# Altium PCB ARDUINO1.PcbDoc (part 1 of 2)
Units mil, origin at the board's own origin, x right, y up, seen from the top; angles counter-clockwise.
Board outline 6000 x 4000 mil, 2 copper layers (Top Layer, Bottom Layer); 24 components, 102 nets, 195 pads, 23 vias.
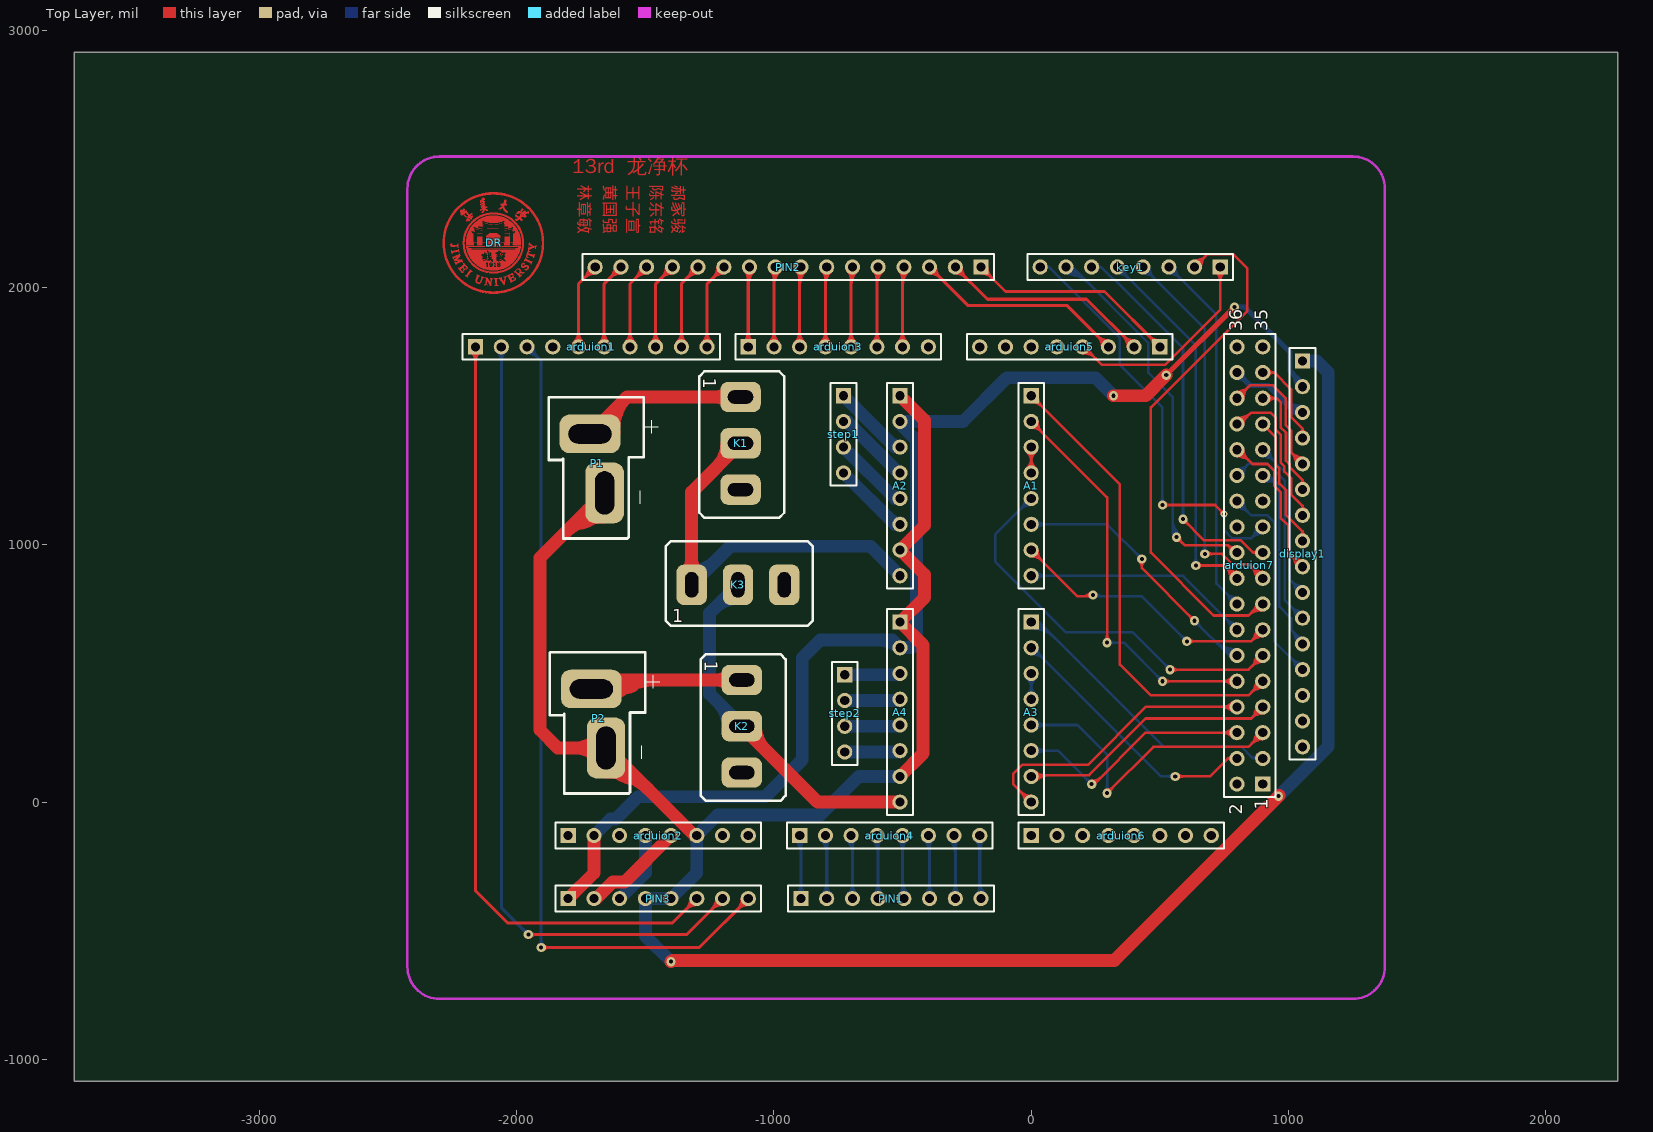
[diagram p0: Top Layer view]
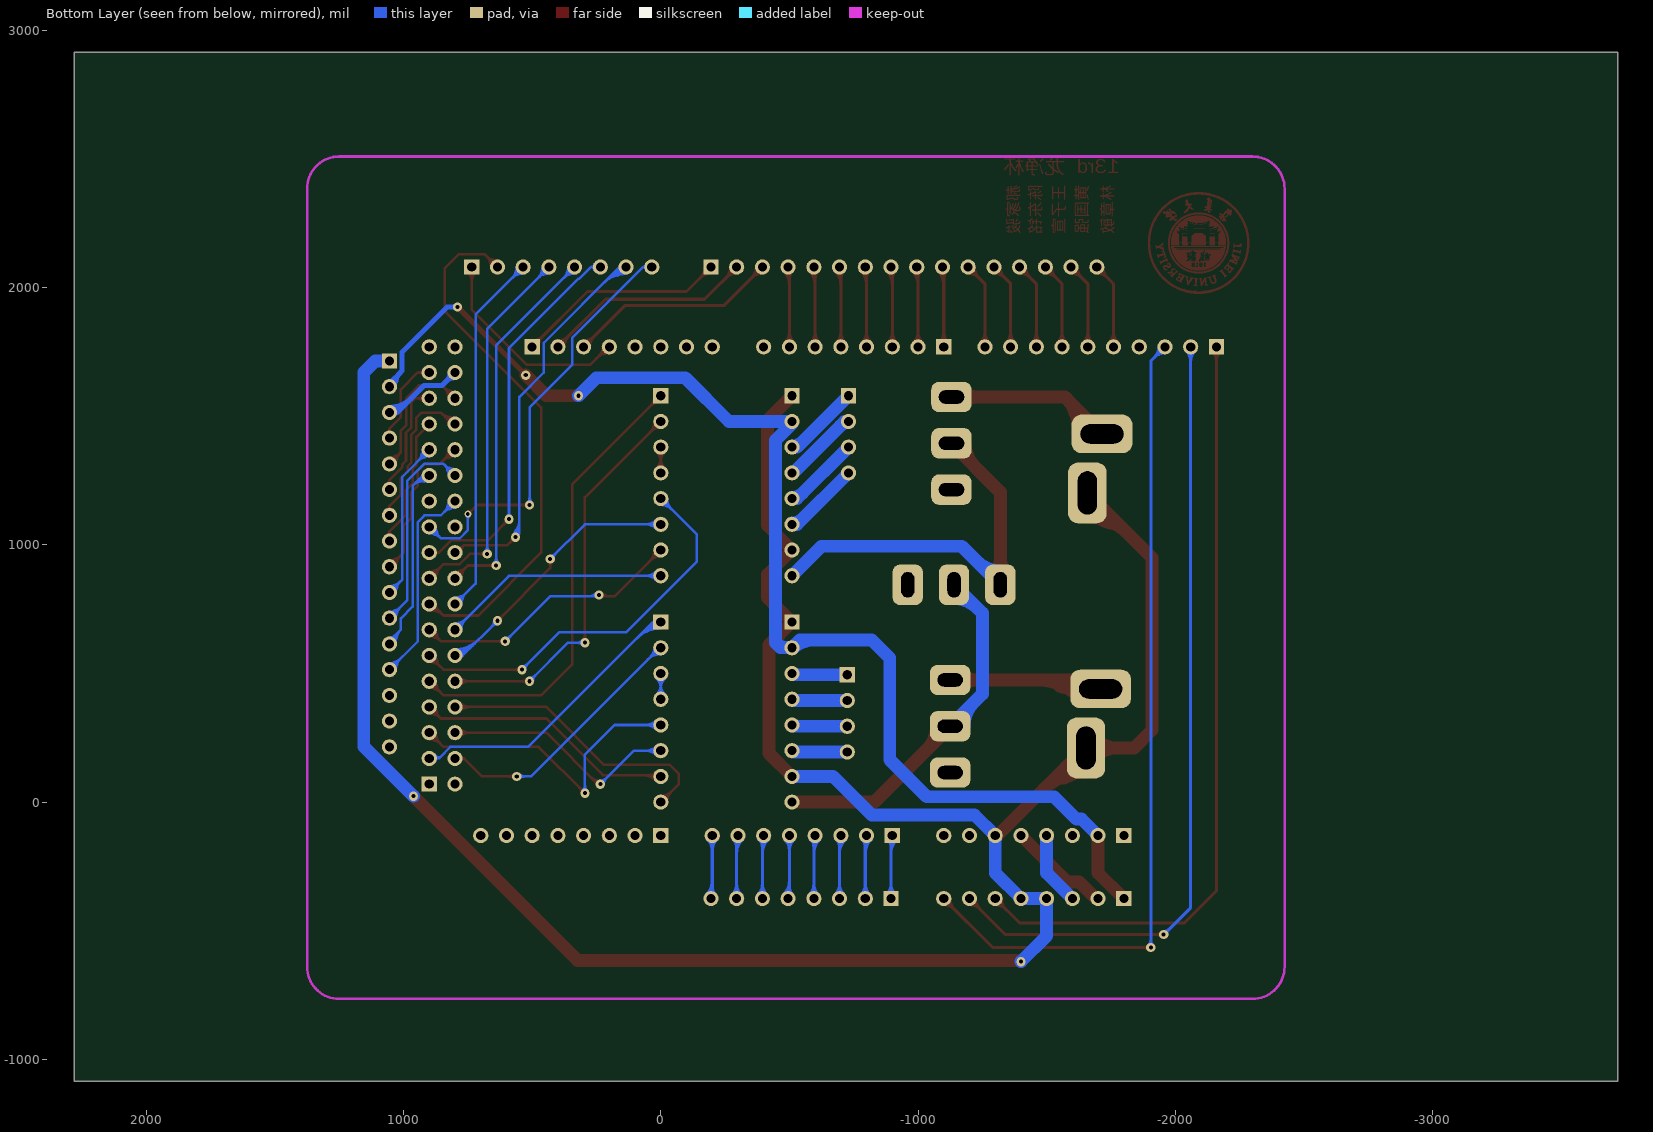
[diagram p1: Bottom Layer view, seen from below]

## Layer stack, top to bottom
Top Solder: solder mask 0.4, Solder Resist, Dk 3.5
Top Layer: signal copper 1.4
Dielectric1: dielectric 12.6, FR-4, Dk 4.8
Bottom Layer: signal copper 1.4
Bottom Solder: solder mask 0.4, Solder Resist, Dk 3.5

## Board outline
-3720,-1085 2280,-1085 2280,2915 -3720,2915

## Design rules (kind name [scope] priority, off if disabled: settings)
Clearance [All] p1: gap=10 ignorepadtopadclearanceinfootprint=FALSE except(0: Arc-Hole Track-Hole SMDPad-Hole THPad-Hole Via-Hole Fill-Hole Poly-Hole Region-Hole Text-Hole)
PolygonConnect [All] p1: connectstyle=Relief reliefconductorwidth=10 reliefentries=4 polygonreliefangle="90 Angle" airgapwidth=10
RoutingVias [All] p1: holewidth=28 width=50 viastyle="Through Hole" minholewidth=28 minwidth=50 maxholewidth=28 maxwidth=50
SilkToSolderMaskClearance SilkscreenOverComponentPads [IsPad] p1: minsilkscreentomaskgap=10 clearancetoexposedcopper=TRUE
SolderMaskExpansion [All] p1: expansion=4 istentingtop=FALSE
Width [All] p1: maxlimit=100 minlimit=10 preferedwidth=10
29 further rules are at their usual default settings.

## Classes and differential pairs
component class ARDUINO: A1 A2 A3 arduion1 arduion2 arduion3 arduion4 arduion5 arduion6 arduion7 DR K1 K2 K3 key1 P1 P2 PIN1 PIN2 PIN3 step1 step2

## Components (designator, comment, footprint, x,y, rotation, side; value= is the part's Value field where it differs from the comment)
A1 "Header 8" HDR1X8 0,1580 r270 top
A2 "Header 8" HDR1X8 -510,1580 r270 top
A3 "Header 8" HDR1X8 0,700 r270 top
A4 "Header 8" HDR1X8 -510,700 r270 top
arduion1 "Header 10" HDR1X10 -2160,1770 r0 top
arduion2 "Header 8" HDR1X8 -1800,-130 r0 top
arduion3 "Header 8" HDR1X8 -1100,1770 r0 top
arduion4 "Header 8" HDR1X8 -900,-130 r0 top
arduion5 "Header 8" HDR1X8 500,1770 r180 top
arduion6 "Header 8" HDR1X8 0,-130 r0 top
arduion7 "Header 18X2" HDR2X18 900,70 r90 top
display1 "Header 16" HDR1X16 1055,1715 r270 top
DR "JMU" JMU_logo（1） -2090,2175 r0 top (schematic designator JMU1)
K1 "KEY" 钮子开关（大） -1130,1395 r270 top
K2 "KEY" 钮子开关（大） -1125,295 r270 top
K3 "KEY" 钮子开关（大） -1140,845 r0 top
key1 "Header 8" HDR1X8 735,2080 r180 top
P1 "T头" T型接头 -1665,1335 r270 top
P2 "T头" T型接头 -1659.8,343.5 r270 top
PIN1 "Header 8" HDR1X8 -895,-375 r0 top
PIN2 "Header 8" HDR1X16 -195,2080 r180 top
PIN3 "Header 8" HDR1X8 -1800,-375 r0 top
step1 "Header 4" HDR1X4 -730,1580 r270 top
step2 "Header 4" HDR1X4 -725,495 r270 top

## Footprints (in the part's own frame and the unit in brackets; to place one, negate y for a bottom-side part, rotate by r counter-clockwise, add the part's x,y. Pads: shape width x height; smd on the part's side, far side on the other; paste and mask are expansions set on the pad)
HDR1X4 [mm] "Connector; Header; 4 Position"
  rect 1.5x1.5 hole 0.9: 1(0,0)
  round 1.5 hole 0.9: 2(2.54,0) 3(5.08,0) 4(7.62,0)
  silkscreen extent -1.27,-1.27 8.89,1.27
HDR1X8 [mm] "Connector; Header; 8 Position"
  rect 1.5x1.5 hole 0.9: 1(0,0)
  round 1.5 hole 0.9: 2(2.54,0) 3(5.08,0) 4(7.62,0) 5(10.16,0) 6(12.7,0) 7(15.24,0) 8(17.78,0)
  silkscreen extent -1.27,-1.27 19.05,1.27
HDR1X10 [mm] "Connector; Header; 10 Position"
  rect 1.5x1.5 hole 0.9: 1(0,0)
  round 1.5 hole 0.9: 2(2.54,0) 3(5.08,0) 4(7.62,0) 5(10.16,0) 6(12.7,0) 7(15.24,0) 8(17.78,0) 9(20.32,0) 10(22.86,0)
  silkscreen extent -1.27,-1.27 24.13,1.27
HDR1X16 [mm] "Connector; Header; 16 Position"
  rect 1.5x1.5 hole 0.9: 1(0,0)
  round 1.5 hole 0.9: 2(2.54,0) 3(5.08,0) 4(7.62,0) 5(10.16,0) 6(12.7,0) 7(15.24,0) 8(17.78,0) 9(20.32,0) 10(22.86,0) 11(25.4,0) 12(27.94,0) 13(30.48,0) 14(33.02,0) 15(35.56,0) 16(38.1,0)
  silkscreen extent -1.27,-1.27 39.37,1.27
HDR2X18 [mm] "Connector; Header; 18x2 Position"
  rect 1.5x1.5 hole 0.9: 1(0,0)
  round 1.5 hole 0.9: 2(0,2.54) 3(2.54,0) 4(2.54,2.54) 5(5.08,0) 6(5.08,2.54) 7(7.62,0) 8(7.62,2.54) 9(10.16,0) 10(10.16,2.54) 11(12.7,0) 12(12.7,2.54) 13(15.24,0) 14(15.24,2.54) 15(17.78,0) 16(17.78,2.54) 17(20.32,0) 18(20.32,2.54) 19(22.86,0) 20(22.86,2.54) 21(25.4,0) 22(25.4,2.54) 23(27.94,0) 24(27.94,2.54) 25(30.48,0) 26(30.48,2.54) 27(33.02,0) 28(33.02,2.54) 29(35.56,0) 30(35.56,2.54) 31(38.1,0) 32(38.1,2.54) 33(40.64,0) 34(40.64,2.54) 35(43.18,0) 36(43.18,2.54)
  silkscreen extent -1.27,-1.27 44.45,3.81
JMU_logo（1） [mil]
  Top Layer region: 16.8,-52.9 15.8,-52.9 15.8,-51.9 16.8,-51.9
  Top Layer region: 35.8,-46.9 34.8,-46.9 34.8,-47.9 32.8,-47.9 32.8,-44.9 35.8,-44.9
  Top Layer region: -34.2,-65.9 -35.2,-65.9 -35.2,-66.9 -38.2,-66.9 -38.2,-64.9 -36.2,-64.9 -36.2,-63.9 -34.2,-63.9
  Top Layer region: -24.2,-52.9 -23.2,-52.9 -23.2,-53.9 -22.2,-53.9 -22.2,-54.9 -23.2,-54.9 -23.2,-55.9 -24.2,-55.9 -24.2,-56.9 -25.2,-56.9 -25.2,-51.9 -24.2,-51.9
  Top Layer region: -21.2,-62.9 -22.2,-62.9 -22.2,-63.9 -23.2,-63.9 -23.2,-64.9 -25.2,-64.9 -25.2,-63.9 -26.2,-63.9 -26.2,-61.9 -23.2,-61.9 -23.2,-60.9 -21.2,-60.9
  Top Layer region: -95.2,90.1 -93.2,90.1 -93.2,85.1 -94.2,85.1 -94.2,84.1 -96.2,84.1 -96.2,85.1 -97.2,85.1 -97.2,86.1 -98.2,86.1 -98.2,91.1 -95.2,91.1
  Top Layer region: -81.2,102.1 -80.2,102.1 -80.2,101.1 -81.2,101.1 -81.2,99.1 -82.2,99.1 -82.2,98.1 -84.2,98.1 -84.2,97.1 -85.2,97.1 -85.2,96.1 -87.2,96.1 -87.2,97.1 -86.2,97.1 -86.2,99.1 -87.2,99.1 -87.2,98.1 -89.2,98.1 -89.2,100.1 -88.2,100.1 -88.2,101.1 -87.2,101.1 -87.2,102.1 -86.2,102.1 -86.2,103.1 -84.2,103.1 -84.2,104.1 -81.2,104.1
  Top Layer region: -32.2,130.1 -29.2,130.1 -29.2,129.1 -26.2,129.1 -26.2,128.1 -24.2,128.1 -24.2,127.1 -23.2,127.1 -23.2,124.1 -24.2,124.1 -24.2,123.1 -28.2,123.1 -28.2,124.1 -29.2,124.1 -29.2,126.1 -31.2,126.1 -31.2,127.1 -33.2,127.1 -33.2,128.1 -34.2,128.1 -34.2,130.1 -33.2,130.1 -33.2,131.1 -32.2,131.1
  Top Layer region: 113.8,129.1 114.8,129.1 114.8,127.1 113.8,127.1 113.8,126.1 112.8,126.1 112.8,125.1 111.8,125.1 111.8,123.1 110.8,123.1 110.8,122.1 109.8,122.1 109.8,121.1 107.8,121.1 107.8,120.1 105.8,120.1 105.8,121.1 104.8,121.1 104.8,124.1 105.8,124.1 105.8,126.1 106.8,126.1 106.8,127.1 107.8,127.1 107.8,128.1 108.8,128.1 108.8,129.1 109.8,129.1 109.8,131.1 113.8,131.1
  Top Layer region: 15.8,-140.9 12.8,-140.9 12.8,-141.9 11.8,-141.9 11.8,-149.9 12.8,-149.9 12.8,-163.9 13.8,-163.9 13.8,-165.9 17.8,-165.9 17.8,-166.9 16.8,-166.9 16.8,-167.9 3.8,-167.9 3.8,-166.9 4.8,-166.9 4.8,-165.9 7.8,-165.9 7.8,-155.9 6.8,-155.9 6.8,-141.9 4.8,-141.9 4.8,-140.9 2.8,-140.9 2.8,-138.9 15.8,-138.9
  Top Layer region: -92.2,-104.9 -91.2,-104.9 -91.2,-105.9 -90.2,-105.9 -90.2,-106.9 -89.2,-106.9 -89.2,-107.9 -88.2,-107.9 -88.2,-108.9 -86.2,-108.9 -86.2,-109.9 -85.2,-109.9 -85.2,-110.9 -84.2,-110.9 -84.2,-111.9 -83.2,-111.9 -83.2,-113.9 -85.2,-113.9 -85.2,-112.9 -88.2,-112.9 -88.2,-113.9 -89.2,-113.9 -89.2,-114.9 -90.2,-114.9 -90.2,-115.9 -91.2,-115.9 -91.2,-116.9 -92.2,-116.9 -92.2,-118.9 -93.2,-118.9 -93.2,-119.9 -94.2,-119.9 -94.2,-120.9 -95.2,-120.9 -95.2,-121.9 -96.2,-121.9 -96.2,-122.9 -97.2,-122.9 -97.2,-124.9 -98.2,-124.9 -98.2,-125.9 -99.2,-125.9 -99.2,-126.9 -100.2,-126.9 -100.2,-127.9 -101.2,-127.9 -101.2,-129.9 -102.2,-129.9 -102.2,-131.9 -101.2,-131.9 -101.2,-132.9 -100.2,-132.9 -100.2,-133.9 -101.2,-133.9 -101.2,-134.9 -102.2,-134.9 -102.2,-133.9 -103.2,-133.9 -103.2,-132.9 -104.2,-132.9 -104.2,-131.9 -105.2,-131.9 -105.2,-130.9 -107.2,-130.9 -107.2,-129.9 -108.2,-129.9 -108.2,-128.9 -109.2,-128.9 -109.2,-127.9 -110.2,-127.9 -110.2,-126.9 -111.2,-126.9 -111.2,-125.9 -108.2,-125.9 -108.2,-126.9 -106.2,-126.9 -106.2,-125.9 -105.2,-125.9 -105.2,-124.9 -104.2,-124.9 -104.2,-123.9 -103.2,-123.9 -103.2,-121.9 -102.2,-121.9 -102.2,-120.9 -101.2,-120.9 -101.2,-119.9 -100.2,-119.9 -100.2,-118.9 -99.2,-118.9 -99.2,-116.9 -98.2,-116.9 -98.2,-115.9 -97.2,-115.9 -97.2,-114.9 -96.2,-114.9 -96.2,-113.9 -95.2,-113.9 -95.2,-112.9 -94.2,-112.9 -94.2,-110.9 -93.2,-110.9 -93.2,-109.9 -92.2,-109.9 -92.2,-106.9 -93.2,-106.9 -93.2,-105.9 -94.2,-105.9 -94.2,-104.9 -93.2,-104.9 -93.2,-103.9 -92.2,-103.9
  Top Layer region: -136.2,-28.9 -135.2,-28.9 -135.2,-33.9 -134.2,-33.9 -134.2,-37.9 -136.2,-37.9 -136.2,-35.9 -137.2,-35.9 -137.2,-34.9 -142.2,-34.9 -142.2,-35.9 -147.2,-35.9 -147.2,-36.9 -152.2,-36.9 -152.2,-37.9 -157.2,-37.9 -157.2,-38.9 -160.2,-38.9 -160.2,-39.9 -161.2,-39.9 -161.2,-43.9 -162.2,-43.9 -162.2,-42.9 -163.2,-42.9 -163.2,-37.9 -164.2,-37.9 -164.2,-32.9 -165.2,-32.9 -165.2,-30.9 -164.2,-30.9 -164.2,-29.9 -163.2,-29.9 -163.2,-31.9 -162.2,-31.9 -162.2,-32.9 -161.2,-32.9 -161.2,-33.9 -160.2,-33.9 -160.2,-32.9 -154.2,-32.9 -154.2,-31.9 -150.2,-31.9 -150.2,-30.9 -144.2,-30.9 -144.2,-29.9 -140.2,-29.9 -140.2,-28.9 -138.2,-28.9 -138.2,-24.9 -136.2,-24.9
  Top Layer region: 125.8,-59.9 126.8,-59.9 126.8,-60.9 125.8,-60.9 125.8,-63.9 126.8,-63.9 126.8,-64.9 128.8,-64.9 128.8,-65.9 130.8,-65.9 130.8,-66.9 132.8,-66.9 132.8,-67.9 134.8,-67.9 134.8,-68.9 136.8,-68.9 136.8,-69.9 138.8,-69.9 138.8,-70.9 140.8,-70.9 140.8,-71.9 142.8,-71.9 142.8,-72.9 144.8,-72.9 144.8,-73.9 147.8,-73.9 147.8,-72.9 148.8,-72.9 148.8,-71.9 150.8,-71.9 150.8,-72.9 149.8,-72.9 149.8,-74.9 148.8,-74.9 148.8,-77.9 147.8,-77.9 147.8,-79.9 146.8,-79.9 146.8,-81.9 145.8,-81.9 145.8,-83.9 143.8,-83.9 143.8,-78.9 142.8,-78.9 142.8,-77.9 140.8,-77.9 140.8,-76.9 137.8,-76.9 137.8,-75.9 136.8,-75.9 136.8,-74.9 134.8,-74.9 134.8,-73.9 132.8,-73.9 132.8,-72.9 130.8,-72.9 130.8,-71.9 128.8,-71.9 128.8,-70.9 126.8,-70.9 126.8,-69.9 124.8,-69.9 124.8,-68.9 122.8,-68.9 122.8,-69.9 121.8,-69.9 121.8,-70.9 120.8,-70.9 120.8,-71.9 119.8,-71.9 119.8,-70.9 118.8,-70.9 118.8,-69.9 119.8,-69.9 119.8,-67.9 120.8,-67.9 120.8,-65.9 121.8,-65.9 121.8,-63.9 122.8,-63.9 122.8,-61.9 123.8,-61.9 123.8,-59.9 124.8,-59.9 124.8,-58.9 125.8,-58.9
  Top Layer region: -162.2,-4.9 -161.2,-4.9 -161.2,-6.9 -162.2,-6.9 -162.2,-7.9 -163.2,-7.9 -163.2,-8.9 -165.2,-8.9 -165.2,-10.9 -154.2,-10.9 -154.2,-9.9 -142.2,-9.9 -142.2,-8.9 -140.2,-8.9 -140.2,-4.9 -138.2,-4.9 -138.2,-11.9 -137.2,-11.9 -137.2,-17.9 -138.2,-17.9 -138.2,-18.9 -139.2,-18.9 -139.2,-15.9 -140.2,-15.9 -140.2,-14.9 -150.2,-14.9 -150.2,-15.9 -164.2,-15.9 -164.2,-14.9 -165.2,-14.9 -165.2,-13.9 -166.2,-13.9 -166.2,-12.9 -167.2,-12.9 -167.2,-10.9 -168.2,-10.9 -168.2,-6.9 -167.2,-6.9 -167.2,-4.9 -166.2,-4.9 -166.2,-3.9 -162.2,-3.9
  Top Layer region: 136.8,-32.9 139.8,-32.9 139.8,-33.9 141.8,-33.9 141.8,-35.9 135.8,-35.9 135.8,-37.9 134.8,-37.9 134.8,-39.9 133.8,-39.9 133.8,-41.9 134.8,-41.9 134.8,-42.9 137.8,-42.9 137.8,-43.9 140.8,-43.9 140.8,-44.9 144.8,-44.9 144.8,-45.9 147.8,-45.9 147.8,-46.9 150.8,-46.9 150.8,-47.9 153.8,-47.9 153.8,-48.9 156.8,-48.9 156.8,-47.9 157.8,-47.9 157.8,-45.9 159.8,-45.9 159.8,-48.9 158.8,-48.9 158.8,-51.9 157.8,-51.9 157.8,-55.9 156.8,-55.9 156.8,-58.9 154.8,-58.9 154.8,-54.9 153.8,-54.9 153.8,-53.9 151.8,-53.9 151.8,-52.9 148.8,-52.9 148.8,-51.9 145.8,-51.9 145.8,-50.9 142.8,-50.9 142.8,-49.9 138.8,-49.9 138.8,-48.9 135.8,-48.9 135.8,-47.9 132.8,-47.9 132.8,-46.9 131.8,-46.9 131.8,-49.9 130.8,-49.9 130.8,-53.9 131.8,-53.9 131.8,-55.9 133.8,-55.9 133.8,-56.9 134.8,-56.9 134.8,-57.9 130.8,-57.9 130.8,-56.9 127.8,-56.9 127.8,-55.9 126.8,-55.9 126.8,-53.9 127.8,-53.9 127.8,-49.9 128.8,-49.9 128.8,-46.9 129.8,-46.9 129.8,-43.9 130.8,-43.9 130.8,-40.9 131.8,-40.9 131.8,-37.9 132.8,-37.9 132.8,-33.9 133.8,-33.9 133.8,-31.9 136.8,-31.9
  Top Layer region: 48.8,-132.9 47.8,-132.9 47.8,-133.9 46.8,-133.9 46.8,-137.9 45.8,-137.9 45.8,-143.9 44.8,-143.9 44.8,-149.9 43.8,-149.9 43.8,-154.9 42.8,-154.9 42.8,-155.9 43.8,-155.9 43.8,-156.9 42.8,-156.9 42.8,-161.9 41.8,-161.9 41.8,-163.9 40.8,-163.9 40.8,-162.9 39.8,-162.9 39.8,-161.9 38.8,-161.9 38.8,-160.9 37.8,-160.9 37.8,-159.9 36.8,-159.9 36.8,-157.9 35.8,-157.9 35.8,-156.9 34.8,-156.9 34.8,-155.9 33.8,-155.9 33.8,-153.9 32.8,-153.9 32.8,-152.9 31.8,-152.9 31.8,-151.9 30.8,-151.9 30.8,-149.9 29.8,-149.9 29.8,-148.9 28.8,-148.9 28.8,-146.9 27.8,-146.9 27.8,-145.9 26.8,-145.9 26.8,-144.9 25.8,-144.9 25.8,-142.9 24.8,-142.9 24.8,-141.9 23.8,-141.9 23.8,-140.9 22.8,-140.9 22.8,-139.9 19.8,-139.9 19.8,-137.9 22.8,-137.9 22.8,-136.9 26.8,-136.9 26.8,-135.9 30.8,-135.9 30.8,-134.9 31.8,-134.9 31.8,-137.9 28.8,-137.9 28.8,-138.9 29.8,-138.9 29.8,-140.9 30.8,-140.9 30.8,-142.9 31.8,-142.9 31.8,-143.9 32.8,-143.9 32.8,-144.9 33.8,-144.9 33.8,-146.9 34.8,-146.9 34.8,-147.9 35.8,-147.9 35.8,-148.9 36.8,-148.9 36.8,-150.9 37.8,-150.9 37.8,-151.9 38.8,-151.9 38.8,-152.9 39.8,-152.9 39.8,-153.9 40.8,-153.9 40.8,-148.9 41.8,-148.9 41.8,-143.9 42.8,-143.9 42.8,-136.9 43.8,-136.9 43.8,-134.9 39.8,-134.9 39.8,-132.9 42.8,-132.9 42.8,-131.9 47.8,-131.9 47.8,-130.9 48.8,-130.9
  Top Layer region: 114.8,-79.9 116.8,-79.9 116.8,-80.9 118.8,-80.9 118.8,-81.9 120.8,-81.9 120.8,-83.9 112.8,-83.9 112.8,-84.9 111.8,-84.9 111.8,-85.9 110.8,-85.9 110.8,-86.9 109.8,-86.9 109.8,-89.9 110.8,-89.9 110.8,-90.9 111.8,-90.9 111.8,-91.9 116.8,-91.9 116.8,-90.9 118.8,-90.9 118.8,-89.9 120.8,-89.9 120.8,-88.9 123.8,-88.9 123.8,-87.9 131.8,-87.9 131.8,-88.9 132.8,-88.9 132.8,-89.9 133.8,-89.9 133.8,-90.9 134.8,-90.9 134.8,-91.9 135.8,-91.9 135.8,-99.9 134.8,-99.9 134.8,-100.9 133.8,-100.9 133.8,-102.9 132.8,-102.9 132.8,-103.9 131.8,-103.9 131.8,-104.9 129.8,-104.9 129.8,-107.9 127.8,-107.9 127.8,-106.9 125.8,-106.9 125.8,-105.9 123.8,-105.9 123.8,-104.9 120.8,-104.9 120.8,-102.9 128.8,-102.9 128.8,-101.9 130.8,-101.9 130.8,-100.9 131.8,-100.9 131.8,-99.9 132.8,-99.9 132.8,-95.9 131.8,-95.9 131.8,-93.9 128.8,-93.9 128.8,-92.9 126.8,-92.9 126.8,-93.9 123.8,-93.9 123.8,-94.9 121.8,-94.9 121.8,-95.9 119.8,-95.9 119.8,-96.9 115.8,-96.9 115.8,-97.9 113.8,-97.9 113.8,-96.9 110.8,-96.9 110.8,-95.9 109.8,-95.9 109.8,-94.9 108.8,-94.9 108.8,-93.9 107.8,-93.9 107.8,-91.9 106.8,-91.9 106.8,-87.9 107.8,-87.9 107.8,-85.9 108.8,-85.9 108.8,-83.9 109.8,-83.9 109.8,-82.9 110.8,-82.9 110.8,-81.9 112.8,-81.9 112.8,-78.9 114.8,-78.9
  Top Layer region: 138.8,-0.9 139.8,-0.9 139.8,-3.9 140.8,-3.9 140.8,-4.9 142.8,-4.9 142.8,-5.9 143.8,-5.9 143.8,-6.9 144.8,-6.9 144.8,-7.9 145.8,-7.9 145.8,-8.9 147.8,-8.9 147.8,-9.9 148.8,-9.9 148.8,-10.9 149.8,-10.9 149.8,-11.9 150.8,-11.9 150.8,-12.9 152.8,-12.9 152.8,-13.9 160.8,-13.9 160.8,-14.9 162.8,-14.9 162.8,-13.9 163.8,-13.9 163.8,-10.9 165.8,-10.9 165.8,-15.9 164.8,-15.9 164.8,-23.9 162.8,-23.9 162.8,-20.9 161.8,-20.9 161.8,-19.9 156.8,-19.9 156.8,-18.9 151.8,-18.9 151.8,-19.9 149.8,-19.9 149.8,-20.9 147.8,-20.9 147.8,-21.9 145.8,-21.9 145.8,-22.9 143.8,-22.9 143.8,-23.9 142.8,-23.9 142.8,-24.9 140.8,-24.9 140.8,-25.9 138.8,-25.9 138.8,-26.9 137.8,-26.9 137.8,-27.9 136.8,-27.9 136.8,-29.9 134.8,-29.9 134.8,-21.9 135.8,-21.9 135.8,-16.9 137.8,-16.9 137.8,-19.9 139.8,-19.9 139.8,-18.9 141.8,-18.9 141.8,-17.9 143.8,-17.9 143.8,-16.9 145.8,-16.9 145.8,-15.9 147.8,-15.9 147.8,-14.9 148.8,-14.9 148.8,-13.9 147.8,-13.9 147.8,-12.9 146.8,-12.9 146.8,-11.9 144.8,-11.9 144.8,-10.9 143.8,-10.9 143.8,-9.9 142.8,-9.9 142.8,-8.9 140.8,-8.9 140.8,-7.9 138.8,-7.9 138.8,-9.9 136.8,-9.9 136.8,-3.9 137.8,-3.9 137.8,0.1 138.8,0.1
  Top Layer region: -65.2,-124.9 -63.2,-124.9 -63.2,-125.9 -60.2,-125.9 -60.2,-126.9 -58.2,-126.9 -58.2,-127.9 -55.2,-127.9 -55.2,-128.9 -54.2,-128.9 -54.2,-130.9 -56.2,-130.9 -56.2,-129.9 -58.2,-129.9 -58.2,-130.9 -59.2,-130.9 -59.2,-132.9 -60.2,-132.9 -60.2,-135.9 -61.2,-135.9 -61.2,-138.9 -62.2,-138.9 -62.2,-140.9 -63.2,-140.9 -63.2,-143.9 -64.2,-143.9 -64.2,-146.9 -65.2,-146.9 -65.2,-151.9 -64.2,-151.9 -64.2,-152.9 -63.2,-152.9 -63.2,-153.9 -62.2,-153.9 -62.2,-154.9 -60.2,-154.9 -60.2,-155.9 -54.2,-155.9 -54.2,-154.9 -53.2,-154.9 -53.2,-153.9 -52.2,-153.9 -52.2,-152.9 -51.2,-152.9 -51.2,-151.9 -50.2,-151.9 -50.2,-149.9 -49.2,-149.9 -49.2,-146.9 -48.2,-146.9 -48.2,-143.9 -47.2,-143.9 -47.2,-141.9 -46.2,-141.9 -46.2,-138.9 -45.2,-138.9 -45.2,-134.9 -46.2,-134.9 -46.2,-133.9 -47.2,-133.9 -47.2,-131.9 -45.2,-131.9 -45.2,-132.9 -42.2,-132.9 -42.2,-133.9 -40.2,-133.9 -40.2,-134.9 -37.2,-134.9 -37.2,-136.9 -41.2,-136.9 -41.2,-137.9 -42.2,-137.9 -42.2,-139.9 -43.2,-139.9 -43.2,-141.9 -44.2,-141.9 -44.2,-144.9 -45.2,-144.9 -45.2,-147.9 -46.2,-147.9 -46.2,-149.9 -47.2,-149.9 -47.2,-151.9 -48.2,-151.9 -48.2,-153.9 -49.2,-153.9 -49.2,-155.9 -51.2,-155.9 -51.2,-156.9 -52.2,-156.9 -52.2,-157.9 -54.2,-157.9 -54.2,-158.9 -60.2,-158.9 -60.2,-157.9 -63.2,-157.9 -63.2,-156.9 -65.2,-156.9 -65.2,-155.9 -67.2,-155.9 -67.2,-154.9 -68.2,-154.9 -68.2,-153.9 -69.2,-153.9 -69.2,-151.9 -70.2,-151.9 -70.2,-144.9 -69.2,-144.9 -69.2,-141.9 -68.2,-141.9 -68.2,-138.9 -67.2,-138.9 -67.2,-136.9 -66.2,-136.9 -66.2,-133.9 -65.2,-133.9 -65.2,-130.9 -64.2,-130.9 -64.2,-126.9 -66.2,-126.9 -66.2,-123.9 -65.2,-123.9
  Top Layer region: 215 vertices and 0 holes, not listed, extent -137.2,-116.9 -100.2,-79.9
  Top Layer region: 177 vertices and 0 holes, not listed, extent 51.8,-154.9 86.8,-118.9
  Top Layer region: -29.2,-136.9 -24.2,-136.9 -24.2,-137.9 -23.2,-137.9 -23.2,-139.9 -22.2,-139.9 -22.2,-141.9 -21.2,-141.9 -21.2,-142.9 -20.2,-142.9 -20.2,-144.9 -19.2,-144.9 -19.2,-145.9 -18.2,-145.9 -18.2,-147.9 -17.2,-147.9 -17.2,-149.9 -16.2,-149.9 -16.2,-150.9 -15.2,-150.9 -15.2,-152.9 -14.2,-152.9 -14.2,-154.9 -13.2,-154.9 -13.2,-155.9 -12.2,-155.9 -12.2,-157.9 -11.2,-157.9 -11.2,-149.9 -10.2,-149.9 -10.2,-140.9 -13.2,-140.9 -13.2,-138.9 -6.2,-138.9 -6.2,-139.9 -2.2,-139.9 -2.2,-140.9 -3.2,-140.9 -3.2,-141.9 -6.2,-141.9 -6.2,-143.9 -7.2,-143.9 -7.2,-149.9 -8.2,-149.9 -8.2,-157.9 -9.2,-157.9 -9.2,-165.9 -10.2,-165.9 -10.2,-167.9 -12.2,-167.9 -12.2,-165.9 -13.2,-165.9 -13.2,-164.9 -14.2,-164.9 -14.2,-162.9 -15.2,-162.9 -15.2,-161.9 -16.2,-161.9 -16.2,-159.9 -17.2,-159.9 -17.2,-157.9 -18.2,-157.9 -18.2,-156.9 -19.2,-156.9 -19.2,-154.9 -20.2,-154.9 -20.2,-153.9 -21.2,-153.9 -21.2,-151.9 -22.2,-151.9 -22.2,-149.9 -23.2,-149.9 -23.2,-147.9 -24.2,-147.9 -24.2,-146.9 -25.2,-146.9 -25.2,-144.9 -26.2,-144.9 -26.2,-148.9 -27.2,-148.9 -27.2,-156.9 -28.2,-156.9 -28.2,-163.9 -25.2,-163.9 -25.2,-165.9 -33.2,-165.9 -33.2,-164.9 -36.2,-164.9 -36.2,-163.9 -35.2,-163.9 -35.2,-162.9 -32.2,-162.9 -32.2,-161.9 -31.2,-161.9 -31.2,-156.9 -30.2,-156.9 -30.2,-148.9 -29.2,-148.9 -29.2,-141.9 -28.2,-141.9 -28.2,-140.9 -29.2,-140.9 -29.2,-138.9 -31.2,-138.9 -31.2,-137.9 -32.2,-137.9 -32.2,-135.9 -29.2,-135.9
  Top Layer region: 139 vertices and 1 holes, not listed, extent 79.8,-134.9 119.8,-100.9
  Top Layer region: 195 vertices and 0 holes, not listed, extent -160.2,-85.9 -119.2,-42.9
  Top Layer region: 155 vertices and 0 holes, not listed, extent 18.8,117.1 55.8,167.1
  Top Layer region: 241 vertices and 4 holes, not listed, extent -52.2,117.1 -25.2,174.1
  Top Layer region: 219 vertices and 1 holes, not listed, extent -130.2,83.1 -83.2,132.1
  Top Layer region: 251 vertices and 0 holes, not listed, extent 83.8,85.1 136.8,124.1
  Top Layer region: 261 vertices and 22 holes, not listed, extent -106.2,-107.9 104.8,-13.9
  Top Layer region: 309 vertices and 19 holes, not listed, extent -107.2,-10.9 105.8,105.1
  Top Layer region: 557 vertices and 1 holes, not listed, extent -119.2,-119.9 117.8,117.1
  Top Layer region: 917 vertices and 1 holes, not listed, extent -197.2,-197.9 195.8,195.1
T型接头 [mm]
  rrect50% 3.8x6 hole 1.9 slot 4.25 at 90 deg: 1(-2.451,-1.275)
  rrect50% 6x3.8 hole 1.9 slot 4.25 at 0 deg: 2(3.376,0.173)
  silkscreen extent -6.07,-5.36 7.87,5.46, body extent -5.35,-4.49 6.65,2.81, height 14.1
钮子开关（大） [mm]
  rrect50% 3x4 hole 1.3 slot 2.5 at 90 deg: 1(-4.572,0) 2(0,0) 3(4.572,0)
  silkscreen extent -7.11,-4.06 7.37,4.32, body extent -6.22,-6.18 6.48,5.68, height 28.19

## Part data
A1 A2 A3 A4 arduion2 arduion3 arduion4 arduion5 arduion6 key1 PIN1 PIN3: "Header, 8-Pin"
arduion1: "Header, 10-Pin"
arduion7: "Header, 18-Pin, Dual row"
display1: "Header, 16-Pin"
PIN2: library part "Header 16", "Header, 16-Pin"
step1 step2: "Header, 4-Pin"

## Via types
v1: diameter 36, hole 16, Top Layer to Bottom Layer, 22 vias
v2: diameter 28, hole 14, Top Layer to Bottom Layer, 1 vias

## Nets (pads, with @x,y where several pads share a name; then routed paths per layer and width w, separated by ;. In a path a pad name is that pad's centre, name@x,y a point inside that pad or via, vN(x,y) a via of type N, cw(c..) or ccw(c..) an arc to the next point about the centre after c; other vN are vias at no path point)
0: arduion3.8
1: arduion3.7 PIN2.4 | length 739.5
  Top Layer w12: arduion3.7@-500,1770 -500,2075 PIN2.4@-495,2080 ; -500,1826.8 cw(c-556.8,1826.8) -516.64,1786.64 ccw(c-556.8,1826.8) -500,1826.8 ; -500,1826.8 ccw(c-443.2,1826.8) -483.36,1786.64 cw(c-443.2,1826.8) -500,1826.8 ; PIN2.4@-511.64,2063.36 cw(c-539.73,2035.27) -500,2035.27 ccw(c-539.73,2035.27) PIN2.4@-511.64,2063.36 ; -500,2011.13 cw(c-426.13,2011.13) -478.36,2063.36 ccw(c-426.13,2011.13) -500,2011.13 ; -500,2040.1 cw(c-455.1,2040.1) -486.85,2071.85 ccw(c-455.1,2040.1) -500,2040.1
1A: A4.4 step2.2 | length 217.1
  Bottom Layer w50: step2.2@-725,395 -515,395 A4.4@-510,400
1A1: A2.4 step1.2 | length 377.5
  Bottom Layer w50: step1.2@-730,1480 -714.85,1480 -514.85,1280 A2.4@-510,1280 ; step1.2@-730,1475.47 cw(c-730,1427.97) -696.41,1461.56 ccw(c-730,1427.97) step1.2@-730,1475.47
1B: A4.3 step2.1 | length 217.1
  Bottom Layer w50: step2.1@-725,495 -515,495 A4.3@-510,500
1B1: A2.3 step1.1 | length 395.9
  Bottom Layer w50: step1.1@-730,1580 -530,1380 A2.3@-510,1380 ; -551.87,1401.87 ccw(c-510,1443.74) -510,1384.53 cw(c-510,1443.74) -551.87,1401.87
2: arduion3.6 PIN2.5 | length 739.5
  Top Layer w12: arduion3.6@-600,1770 -600,2075 PIN2.5@-595,2080 ; -600,1826.8 cw(c-656.8,1826.8) -616.64,1786.64 ccw(c-656.8,1826.8) -600,1826.8 ; -600,1826.8 ccw(c-543.2,1826.8) -583.36,1786.64 cw(c-543.2,1826.8) -600,1826.8 ; PIN2.5@-611.64,2063.36 cw(c-639.73,2035.27) -600,2035.27 ccw(c-639.73,2035.27) PIN2.5@-611.64,2063.36 ; -600,2011.13 cw(c-526.13,2011.13) -578.36,2063.36 ccw(c-526.13,2011.13) -600,2011.13 ; -600,2040.1 cw(c-555.1,2040.1) -586.85,2071.85 ccw(c-555.1,2040.1) -600,2040.1
2A: A4.5 step2.3 | length 217.1
  Bottom Layer w50: step2.3@-725,295 -515,295 A4.5@-510,300
2A1: A2.5 step1.3 | length 395.9
  Bottom Layer w50: step1.3@-730,1380 -530,1180 A2.5@-510,1180 ; -551.87,1201.87 ccw(c-510,1243.74) -510,1184.53 cw(c-510,1243.74) -551.87,1201.87
2B: A4.6 step2.4 | length 217.1
  Bottom Layer w50: step2.4@-725,195 -515,195 A4.6@-510,200
2B1: A2.6 step1.4 | length 395.9
  Bottom Layer w50: step1.4@-730,1280 -530,1080 A2.6@-510,1080 ; -551.87,1101.87 ccw(c-510,1143.74) -510,1084.53 cw(c-510,1143.74) -551.87,1101.87
3: arduion3.5 PIN2.6 | length 739.5
  Top Layer w12: arduion3.5@-700,1770 -700,2075 PIN2.6@-695,2080 ; -700,1826.8 cw(c-756.8,1826.8) -716.64,1786.64 ccw(c-756.8,1826.8) -700,1826.8 ; -700,1826.8 ccw(c-643.2,1826.8) -683.36,1786.64 cw(c-643.2,1826.8) -700,1826.8 ; PIN2.6@-711.64,2063.36 cw(c-739.73,2035.27) -700,2035.27 ccw(c-739.73,2035.27) PIN2.6@-711.64,2063.36 ; -700,2011.13 cw(c-626.13,2011.13) -678.36,2063.36 ccw(c-626.13,2011.13) -700,2011.13 ; -700,2040.1 cw(c-655.1,2040.1) -686.85,2071.85 ccw(c-655.1,2040.1) -700,2040.1
3.3V: arduion2.4 PIN3.3 | length 286.4
  Bottom Layer w50: PIN3.3@-1600,-375 -1500,-275 arduion2.4@-1500,-130
4: arduion3.4 PIN2.7 | length 739.5
  Top Layer w12: arduion3.4@-800,1770 -800,2075 PIN2.7@-795,2080 ; -800,1826.8 cw(c-856.8,1826.8) -816.64,1786.64 ccw(c-856.8,1826.8) -800,1826.8 ; -800,1826.8 ccw(c-743.2,1826.8) -783.36,1786.64 cw(c-743.2,1826.8) -800,1826.8 ; PIN2.7@-811.64,2063.36 cw(c-839.73,2035.27) -800,2035.27 ccw(c-839.73,2035.27) PIN2.7@-811.64,2063.36 ; -800,2011.13 cw(c-726.13,2011.13) -778.36,2063.36 ccw(c-726.13,2011.13) -800,2011.13 ; -800,2040.1 cw(c-755.1,2040.1) -786.85,2071.85 ccw(c-755.1,2040.1) -800,2040.1
5: arduion3.3 PIN2.8 | length 739.5
  Top Layer w12: arduion3.3@-900,1770 -900,2075 PIN2.8@-895,2080 ; -900,1826.8 cw(c-956.8,1826.8) -916.64,1786.64 ccw(c-956.8,1826.8) -900,1826.8 ; -900,1826.8 ccw(c-843.2,1826.8) -883.36,1786.64 cw(c-843.2,1826.8) -900,1826.8 ; PIN2.8@-911.64,2063.36 cw(c-939.73,2035.27) -900,2035.27 ccw(c-939.73,2035.27) PIN2.8@-911.64,2063.36 ; -900,2011.13 cw(c-826.13,2011.13) -878.36,2063.36 ccw(c-826.13,2011.13) -900,2011.13 ; -900,2040.1 cw(c-855.1,2040.1) -886.85,2071.85 ccw(c-855.1,2040.1) -900,2040.1
5V1: A2.2 A4.2 arduion2.2 display1.2 PIN3.1 | length 5472.7
  Top Layer w20: v1(525,1660) v1(790,1925) ; 538.66,1673.66 cw(c525,1687.31) 525,1668 ccw(c525,1687.31) 538.66,1673.66 ; 538.66,1673.66 ccw(c552.31,1660) 533,1660 cw(c552.31,1660) 538.66,1673.66 ; 776.34,1911.34 cw(c790,1897.69) 790,1917 ccw(c790,1897.69) 776.34,1911.34 ; 776.34,1911.34 ccw(c762.69,1925) 782,1925 cw(c762.69,1925) 776.34,1911.34
  Top Layer w50: PIN3.1@-1800,-375 -1700,-275 arduion2.2@-1700,-130 ; v1(320,1580) 445,1580 v1(525,1660)
  Bottom Layer w20: v1(790,1925) 830,1925 1005.47,1749.53 1005.47,1677.19 display1.2@1055,1627.66 ; 1027.12,1646.18 ccw(c1073.07,1658.5) display1.2@1054.82,1614.56 ; 809.31,1925 cw(c809.31,1944.31) 795.66,1930.66 ccw(c809.31,1944.31) 809.31,1925 ; 809.31,1925 ccw(c809.31,1905.69) 795.66,1919.34 cw(c809.31,1905.69) 809.31,1925 ; 1012.71,1669.95 cw(c957.76,1615) 1035.47,1615 ccw(c957.76,1615) 1012.71,1669.95
  Bottom Layer w50: arduion2.2@-1700,-130 -1635.47,-65.47 -1615.47,-65.47 -1529.06,20.94 -1034.06,20.94 -890,165 -890,560 -820,630 -540,630 A4.2@-510,600 -465,600 -445.47,619.53 ; -593.36,630 cw(c-593.36,516.64) A4.2@-513.2,596.8 ; A4.2@-508.61,604.31 ccw(c-489.48,663.53) -445.47,619.53 ; v1(320,1580) 250,1650 -95,1650 -265,1480 A2.2@-510,1480 -510,1471.26 -445.47,1406.73 -445.47,619.53
5V2: arduion2.5 PIN3.2 | length 401.5
  Top Layer w50: PIN3.2@-1700,-375 -1691.26,-375 -1626.73,-310.47 -1580.47,-310.47 arduion2.5@-1400,-130
5V3: arduion7.36
5V4: arduion7.35
6: arduion3.2 PIN2.9 | length 739.5
  Top Layer w12: arduion3.2@-1000,1770 -1000,2075 PIN2.9@-995,2080 ; -1000,1826.8 cw(c-1056.8,1826.8) -1016.64,1786.64 ccw(c-1056.8,1826.8) -1000,1826.8 ; -1000,1826.8 ccw(c-943.2,1826.8) -983.36,1786.64 cw(c-943.2,1826.8) -1000,1826.8 ; PIN2.9@-1011.64,2063.36 cw(c-1039.73,2035.27) -1000,2035.27 ccw(c-1039.73,2035.27) PIN2.9@-1011.64,2063.36 ; -1000,2011.13 cw(c-926.13,2011.13) -978.36,2063.36 ccw(c-926.13,2011.13) -1000,2011.13 ; -1000,2040.1 cw(c-955.1,2040.1) -986.85,2071.85 ccw(c-955.1,2040.1) -1000,2040.1
7: arduion3.1 PIN2.10 | length 739.5
  Top Layer w12: arduion3.1@-1100,1770 -1100,2075 PIN2.10@-1095,2080 ; -1100,1826.8 cw(c-1156.8,1826.8) -1116.64,1786.64 ccw(c-1156.8,1826.8) -1100,1826.8 ; -1100,1826.8 ccw(c-1043.2,1826.8) -1083.36,1786.64 cw(c-1043.2,1826.8) -1100,1826.8 ; PIN2.10@-1111.64,2063.36 cw(c-1139.73,2035.27) -1100,2035.27 ccw(c-1139.73,2035.27) PIN2.10@-1111.64,2063.36 ; -1100,2011.13 cw(c-1026.13,2011.13) -1078.36,2063.36 ccw(c-1026.13,2011.13) -1100,2011.13 ; -1100,2040.1 cw(c-1055.1,2040.1) -1086.85,2071.85 ccw(c-1055.1,2040.1) -1100,2040.1
8: arduion1.10 PIN2.11 | length 784
  Top Layer w12: arduion1.10@-1260,1770 -1260,2015 PIN2.11@-1195,2080 ; -1226.27,2051.1 cw(c-1186.92,2040.55) PIN2.11@-1195.09,2080.46 ; -1223.9,2048.73 ccw(c-1234.45,2088.08) PIN2.11@-1194.54,2079.91 ; -1260,1826.8 cw(c-1316.8,1826.8) -1276.64,1786.64 ccw(c-1316.8,1826.8) -1260,1826.8 ; -1260,1826.8 ccw(c-1203.2,1826.8) -1243.36,1786.64 cw(c-1203.2,1826.8) -1260,1826.8 ; -1235.16,2039.84 cw(c-1195,1999.67) -1195,2056.47 ccw(c-1195,1999.67) -1235.16,2039.84 ; -1235.16,2039.84 ccw(c-1275.33,2080) -1218.53,2080 cw(c-1275.33,2080) -1235.16,2039.84
9: arduion1.9 PIN2.12 | length 784
  Top Layer w12: arduion1.9@-1360,1770 -1360,2015 PIN2.12@-1295,2080 ; -1326.27,2051.1 cw(c-1286.92,2040.55) PIN2.12@-1295.09,2080.46 ; -1323.9,2048.73 ccw(c-1334.45,2088.08) PIN2.12@-1294.54,2079.91 ; -1360,1826.8 cw(c-1416.8,1826.8) -1376.64,1786.64 ccw(c-1416.8,1826.8) -1360,1826.8 ; -1360,1826.8 ccw(c-1303.2,1826.8) -1343.36,1786.64 cw(c-1303.2,1826.8) -1360,1826.8 ; -1335.16,2039.84 cw(c-1295,1999.67) -1295,2056.47 ccw(c-1295,1999.67) -1335.16,2039.84 ; -1335.16,2039.84 ccw(c-1375.33,2080) -1318.53,2080 cw(c-1375.33,2080) -1335.16,2039.84
10: arduion1.8 PIN2.13 | length 784
  Top Layer w12: arduion1.8@-1460,1770 -1460,2015 PIN2.13@-1395,2080 ; -1426.27,2051.1 cw(c-1386.92,2040.55) PIN2.13@-1395.09,2080.46 ; -1423.9,2048.73 ccw(c-1434.45,2088.08) PIN2.13@-1394.54,2079.91 ; -1460,1826.8 cw(c-1516.8,1826.8) -1476.64,1786.64 ccw(c-1516.8,1826.8) -1460,1826.8 ; -1460,1826.8 ccw(c-1403.2,1826.8) -1443.36,1786.64 cw(c-1403.2,1826.8) -1460,1826.8 ; -1435.16,2039.84 cw(c-1395,1999.67) -1395,2056.47 ccw(c-1395,1999.67) -1435.16,2039.84 ; -1435.16,2039.84 ccw(c-1475.33,2080) -1418.53,2080 cw(c-1475.33,2080) -1435.16,2039.84
11: arduion1.7 PIN2.14 | length 784
  Top Layer w12: arduion1.7@-1560,1770 -1560,2015 PIN2.14@-1495,2080 ; -1526.27,2051.1 cw(c-1486.92,2040.55) PIN2.14@-1495.09,2080.46 ; -1523.9,2048.73 ccw(c-1534.45,2088.08) PIN2.14@-1494.54,2079.91 ; -1560,1826.8 cw(c-1616.8,1826.8) -1576.64,1786.64 ccw(c-1616.8,1826.8) -1560,1826.8 ; -1560,1826.8 ccw(c-1503.2,1826.8) -1543.36,1786.64 cw(c-1503.2,1826.8) -1560,1826.8 ; -1535.16,2039.84 cw(c-1495,1999.67) -1495,2056.47 ccw(c-1495,1999.67) -1535.16,2039.84 ; -1535.16,2039.84 ccw(c-1575.33,2080) -1518.53,2080 cw(c-1575.33,2080) -1535.16,2039.84
12: arduion1.6 PIN2.15 | length 784
  Top Layer w12: arduion1.6@-1660,1770 -1660,2015 PIN2.15@-1595,2080 ; -1626.27,2051.1 cw(c-1586.92,2040.55) PIN2.15@-1595.09,2080.46 ; -1623.9,2048.73 ccw(c-1634.45,2088.08) PIN2.15@-1594.54,2079.91 ; -1660,1826.8 cw(c-1716.8,1826.8) -1676.64,1786.64 ccw(c-1716.8,1826.8) -1660,1826.8 ; -1660,1826.8 ccw(c-1603.2,1826.8) -1643.36,1786.64 cw(c-1603.2,1826.8) -1660,1826.8 ; -1635.16,2039.84 cw(c-1595,1999.67) -1595,2056.47 ccw(c-1595,1999.67) -1635.16,2039.84 ; -1635.16,2039.84 ccw(c-1675.33,2080) -1618.53,2080 cw(c-1675.33,2080) -1635.16,2039.84
12V1: A2.8 K1.2 K3.1 | length 2214.3
  Top Layer w50: K3.1@-1320,845 -1320,1205 K1.2@-1130,1395 ; -1320,946.9 cw(c-1402.22,946.9) -1344.08,888.77 ccw(c-1402.22,946.9) -1320,946.9 ; -1320,946.9 ccw(c-1237.78,946.9) -1295.92,888.77 cw(c-1237.78,946.9) -1320,946.9 ; -1221.74,1303.26 ccw(c-1313.48,1395) -1183.74,1395 cw(c-1313.48,1395) -1221.74,1303.26
  Bottom Layer w50: K3.1@-1320,845 -1170,995 -625,995 A2.8@-510,880 ; K3.1@-1320,898.74 ccw(c-1320,1028.48) -1228.26,936.74 cw(c-1320,1028.48) K3.1@-1320,898.74
12V2: A4.8 K2.2 K3.2 | length 1894
  Top Layer w50: K2.2@-1125,295 -830,0 A4.8@-510,0 ; K2.2@-1071.26,295 ccw(c-941.52,295) -1033.26,203.26
  Bottom Layer w50: K3.2@-1140,845 -1250,735 -1250,420 K2.2@-1125,295 ; -1231.74,753.26 cw(c-1140,661.52) -1140,791.26 ccw(c-1140,661.52) -1231.74,753.26 ; -1216.74,386.74 cw(c-1308.48,295) -1178.74,295 ccw(c-1308.48,295) -1216.74,386.74
13: arduion1.5 PIN2.16 | length 784
  Top Layer w12: arduion1.5@-1760,1770 -1760,2015 PIN2.16@-1695,2080 ; -1726.27,2051.1 cw(c-1686.92,2040.55) PIN2.16@-1695.09,2080.46 ; -1723.9,2048.73 ccw(c-1734.45,2088.08) PIN2.16@-1694.54,2079.91 ; -1760,1826.8 cw(c-1816.8,1826.8) -1776.64,1786.64 ccw(c-1816.8,1826.8) -1760,1826.8 ; -1760,1826.8 ccw(c-1703.2,1826.8) -1743.36,1786.64 cw(c-1703.2,1826.8) -1760,1826.8 ; -1735.16,2039.84 cw(c-1695,1999.67) -1695,2056.47 ccw(c-1695,1999.67) -1735.16,2039.84 ; -1735.16,2039.84 ccw(c-1775.33,2080) -1718.53,2080 cw(c-1775.33,2080) -1735.16,2039.84
14: arduion5.1 PIN2.1 | length 1360.7
  Top Layer w12: PIN2.1@-195.46,2079.91 ccw(c-155.55,2088.08) -166.1,2048.73 ; PIN2.1@-195,2080 -100,1985 285,1985 arduion5.1@500,1770 ; PIN2.1@-194.91,2080.46 cw(c-203.08,2040.55) -163.73,2051.1 ; 468.73,1798.9 ccw(c508.08,1809.45) arduion5.1@499.91,1769.54 ; 471.1,1801.27 cw(c460.55,1761.92) arduion5.1@500.46,1770.09 ; -154.84,2039.84 cw(c-114.67,2080) -171.47,2080 ccw(c-114.67,2080) -154.84,2039.84 ; -154.84,2039.84 ccw(c-195,1999.67) -195,2056.47 cw(c-195,1999.67) -154.84,2039.84 ; 459.84,1810.16 cw(c419.67,1770) 476.47,1770 ccw(c419.67,1770) 459.84,1810.16 ; 459.84,1810.16 ccw(c500,1850.33) 500,1793.53 cw(c500,1850.33) 459.84,1810.16
15: arduion5.2 PIN2.2 | length 1360.7
  Top Layer w12: PIN2.2@-295.46,2079.91 ccw(c-255.55,2088.08) -266.1,2048.73 ; PIN2.2@-295,2080 -170,1955 215,1955 arduion5.2@400,1770 ; PIN2.2@-294.91,2080.46 cw(c-303.08,2040.55) -263.73,2051.1 ; 368.73,1798.9 ccw(c408.08,1809.45) arduion5.2@399.91,1769.54 ; 371.1,1801.27 cw(c360.55,1761.92) arduion5.2@400.46,1770.09 ; -254.84,2039.84 cw(c-214.67,2080) -271.47,2080 ccw(c-214.67,2080) -254.84,2039.84 ; -254.84,2039.84 ccw(c-295,1999.67) -295,2056.47 cw(c-295,1999.67) -254.84,2039.84 ; 359.84,1810.16 cw(c319.67,1770) 376.47,1770 ccw(c319.67,1770) 359.84,1810.16 ; 359.84,1810.16 ccw(c400,1850.33) 400,1793.53 cw(c400,1850.33) 359.84,1810.16
16: arduion5.3 PIN2.3 | length 1360.7
  Top Layer w12: PIN2.3@-395.46,2079.91 ccw(c-355.55,2088.08) -366.1,2048.73 ; PIN2.3@-395,2080 -245,1930 140,1930 arduion5.3@300,1770 ; PIN2.3@-394.91,2080.46 cw(c-403.08,2040.55) -363.73,2051.1 ; 268.73,1798.9 ccw(c308.08,1809.45) arduion5.3@299.91,1769.54 ; 271.1,1801.27 cw(c260.55,1761.92) arduion5.3@300.46,1770.09 ; -354.84,2039.84 cw(c-314.67,2080) -371.47,2080 ccw(c-314.67,2080) -354.84,2039.84 ; -354.84,2039.84 ccw(c-395,1999.67) -395,2056.47 cw(c-395,1999.67) -354.84,2039.84 ; 259.84,1810.16 cw(c219.67,1770) 276.47,1770 ccw(c219.67,1770) 259.84,1810.16 ; 259.84,1810.16 ccw(c300,1850.33) 300,1793.53 cw(c300,1850.33) 259.84,1810.16
17: arduion5.4 key1.1 | length 1096.2
  Top Layer w10: arduion5.4@200,1745.47 cw(c200,1674.19) 250.41,1724.59 ; arduion5.4@200,1755.47 cw(c200,1708.33) 233.34,1741.66 ; arduion5.4@200,1770 205,1770 275,1700 520,1700 735,1915 key1.1@735,2080 ; arduion5.4@224.53,1770 ccw(c271.67,1770) 238.34,1736.66 ; key1.1@717.66,2062.66 cw(c675.79,2020.79) 735,2020.79 cw(c794.21,2020.79) key1.1@752.34,2062.66 ; key1.1@724.73,2069.73 cw(c699.93,2044.93) 735,2044.93 cw(c770.07,2044.93) key1.1@745.27,2069.73
18: arduion5.5
19: arduion5.6
20: arduion5.7
21: arduion5.8
22: 
23: arduion7.33 display1.4 | length 534.8
  Top Layer w10: arduion7.33@900,1670 945,1670 ; display1.4@1055,1415 1055,1452.03 ; 945,1670 cw(c945,1699.01) 920.61,1683.29 ccw(c945,1699.01) 945,1670 ; 945,1670 ccw(c945,1640.99) 920.61,1656.71 cw(c945,1640.99) 945,1670 ; 945,1670 1010.47,1604.53 1010.47,1496.56 1055,1452.03 ; 1055,1452.03 cw(c1039.32,1452.03) 1045.43,1437.58 ccw(c1039.32,1452.03) 1055,1452.03 ; 1055,1452.03 ccw(c1070.68,1452.03) 1064.57,1437.58 cw(c1070.68,1452.03) 1055,1452.03
24: arduion7.32 display1.5 | length 1276
  Top Layer w10: arduion7.32@794.64,1571.1 cw(c832.3,1563.39) 822.35,1600.52 ; arduion7.32@800,1570 850,1620 940,1620 990,1570 990,1464.85 1010.47,1444.38 1010.47,1359.53 display1.5@1055,1315 ; arduion7.32@801.1,1564.64 ccw(c793.39,1602.3) 830.52,1592.35 ; 1024.48,1337.35 ccw(c1061.61,1347.3) display1.5@1053.9,1309.64 ; 1032.65,1345.52 cw(c1022.7,1308.39) display1.5@1060.36,1316.1 ; 824.8,1594.8 cw(c800,1619.6) 800,1584.53 ccw(c800,1619.6) 824.8,1594.8 ; 824.8,1594.8 ccw(c849.6,1570) 814.53,1570 cw(c849.6,1570) 824.8,1594.8 ; 841.87,1611.87 cw(c800,1653.74) 800,1594.53 ccw(c800,1653.74) 841.87,1611.87 ; 841.87,1611.87 ccw(c883.74,1570) 824.53,1570 cw(c883.74,1570) 841.87,1611.87 ; 1013.13,1356.87 cw(c971.26,1315) 1030.47,1315 ccw(c971.26,1315) 1013.13,1356.87 ; 1013.13,1356.87 ccw(c1055,1398.74) 1055,1339.53 cw(c1055,1398.74) 1013.13,1356.87 ; 1030.2,1339.8 cw(c1005.4,1315) 1040.47,1315 ccw(c1005.4,1315) 1030.2,1339.8 ; 1030.2,1339.8 ccw(c1055,1364.6) 1055,1329.53 cw(c1055,1364.6) 1030.2,1339.8
25: arduion7.31 display1.6 | length 788.8
  Top Layer w10: arduion7.31@900,1570 955,1570 ; display1.6@1055,1215 1055,1252.03 ; 932.57,1570 cw(c932.57,1599.26) 910.81,1579.71 ccw(c932.57,1599.26) 932.57,1570 ; 932.57,1570 ccw(c932.57,1540.74) 910.81,1560.29 cw(c932.57,1540.74) 932.57,1570 ; 955,1570 cw(c955,1619.39) 918.25,1586.39 ccw(c955,1619.39) 955,1570 ; 955,1570 ccw(c955,1520.61) 918.25,1553.61 cw(c955,1520.61) 955,1570 ; 955,1570 970,1555 970,1456.57 990.47,1436.1 990.47,1327.35 1004.53,1313.3 1004.53,1302.5 1055,1252.03 ; 1055,1252.03 cw(c1039.32,1252.03) 1045.43,1237.58 ccw(c1039.32,1252.03) 1055,1252.03 ; 1055,1252.03 ccw(c1070.68,1252.03) 1064.57,1237.58 cw(c1070.68,1252.03) 1055,1252.03
26: arduion7.30 display1.7 | length 1050.4
  Top Layer w10: arduion7.30@795.17,1472.57 cw(c843.37,1446.89) 833,1500.51 ; arduion7.30@800,1470 810.94,1470 855.47,1514.53 ; arduion7.30@800.13,1464.53 ccw(c799.42,1495.33) 829.18,1487.36 ; arduion7.30@804.32,1468.65 cw(c833.72,1459.43) 827.87,1489.68 ; display1.7@1055,1115 1055,1152.03 ; 855.47,1514.53 cw(c806.62,1563.37) 801.74,1494.47 ccw(c806.62,1563.37) 855.47,1514.53 ; 855.47,1514.53 930.47,1514.53 950,1495 950,1448.28 970,1428.28 970,1319.54 984.53,1305.01 984.53,1285.47 1010.47,1259.53 1010.47,1196.56 1055,1152.03 ; 1055,1152.03 cw(c1039.32,1152.03) 1045.43,1137.58 ccw(c1039.32,1152.03) 1055,1152.03 ; 1055,1152.03 ccw(c1070.68,1152.03) 1064.57,1137.58 cw(c1070.68,1152.03) 1055,1152.03 ; arduion7.30@801.03,1484.49 ccw(c804.57,1534.43) 839.98,1499.03 cw(c804.57,1534.43) arduion7.30@801.03,1484.49 ; arduion7.30@824.53,1470 cw(c857.32,1470) 834.13,1493.19 ccw(c857.32,1470) arduion7.30@824.53,1470
27: arduion7.29 display1.8 | length 592.6
  Top Layer w10: arduion7.29@900,1470 950,1420 950,1311.26 964.53,1296.73 964.53,1238.76 990.47,1212.81 990.47,1116.56 1055,1052.03 ; display1.8@1055,1015 1055,1052.03 ; 1055,1052.03 cw(c1039.32,1052.03) 1045.43,1037.58 ccw(c1039.32,1052.03) 1055,1052.03 ; 1055,1052.03 ccw(c1070.68,1052.03) 1064.57,1037.58 cw(c1070.68,1052.03) 1055,1052.03